# KiCad board B2_panel.kicad_pcb (continued)
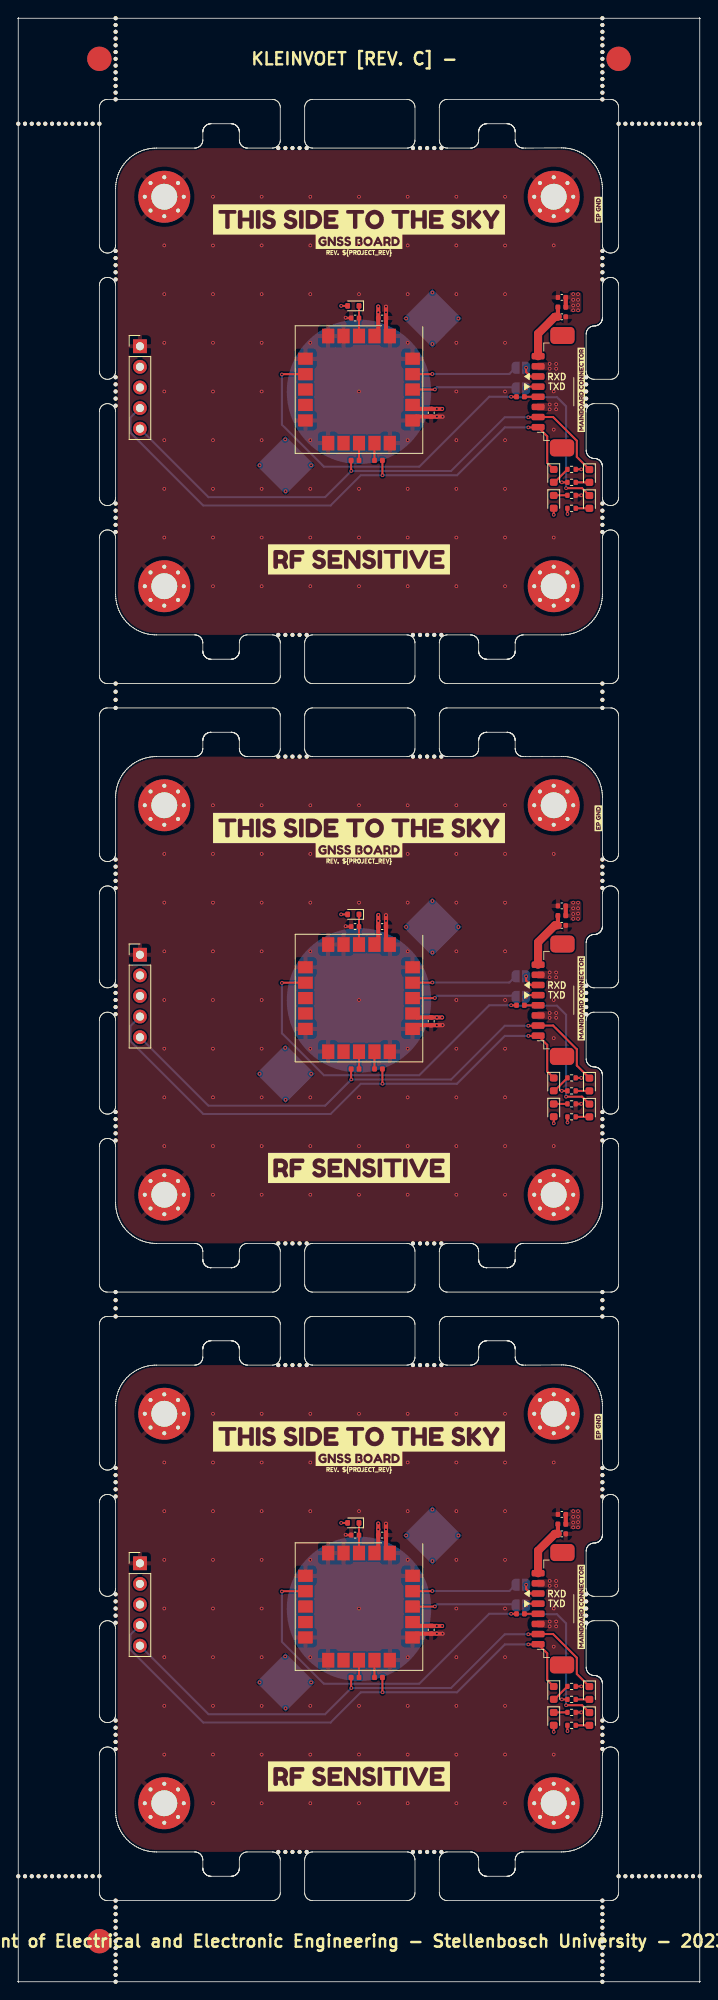
[diagram p0: board, top side]
## Placement (name value [footprint] x y rotation side) (continued)
REF**#262  -  [NPTH]  72 240.33 0 top
REF**#263  -  [NPTH]  9.17 229 0 top
REF**#264  -  [NPTH]  52.15 76 0 top
REF**#265  -  [NPTH]  72 182.19 0 top
REF**#266  -  [NPTH]  10 13 0 top
REF**#267  -  [NPTH]  51.28 166 0 top
REF**#268  -  [NPTH]  12 180.44 0 top
REF**#269  -  [NPTH]  32.92 166 0 top
REF**#270  -  [NPTH]  82.33 13 0 top
REF**#271  -  [NPTH]  32.05 166 0 top
REF**#272  -  [NPTH]  12 234.5 0 top
REF**#273  -  [NPTH]  72 29.56 0 top
REF**#274  -  [Fiducial]  10 5 0 bottom
REF**#275  -  [Fiducial]  10 237 0 bottom
REF**#276  -  [Fiducial]  74 237 0 bottom
U301  SAM-M8Q  [ublox_SAM-M8Q]  42 196.24 270 top
U301#2  SAM-M8Q  [ublox_SAM-M8Q]  42 121.24 270 top
U301#3  SAM-M8Q  [ublox_SAM-M8Q]  42 46.24 270 top

## Library data of the parts
BT301 BT301#2 BT301#3 = -: Description: Single-cell battery; MPN: 2898; Mfr.: Keystone Electronics
C301 C301#2 C301#3 C302 C302#2 C302#3 C305 C305#2 C305#3 = -: Description: Unpolarized capacitor, small symbol; MPN: C0402C105K9PACTU; Mfr.: KEMET
C303 C303#2 C303#3 C304 C304#2 C304#3 = -: Description: Unpolarized capacitor, small symbol; MPN: GRM155R60J106ME05D; Mfr.: Murata; Notes: Low ESR
D301 D301#2 D301#3 = -: Description: Schottky diode, small symbol; MPN: RB520S30T1G; Mfr.: onsemi
D302 D302#2 D302#3 = -: Description: Light emitting diode, small symbol; MPN: SML-D12U8WT86C; Mfr.: ROHM Semiconductor
D303 D303#2 D303#3 = -: Description: Light emitting diode, small symbol; MPN: SMLD12BN1WT86; Mfr.: ROHM Semiconductor
D304 D304#2 D304#3 = -: Description: Light emitting diode, small symbol; MPN: SMLD12EN1WT86; Mfr.: ROHM Semiconductor
D305 D305#2 D305#3 = -: Description: Light emitting diode, small symbol; MPN: SML-D12D8WT86C; Mfr.: ROHM Semiconductor
FB301 FB301#2 FB301#3 FB302 FB302#2 FB302#3 FB303 FB303#2 FB303#3 FB305 FB305#2 FB305#3 = -: Description: Ferrite bead, small symbol; MPN: BLM15HD102SN1D; Mfr.: Murata
H301 H301#2 H301#3 H302 H302#2 H302#3 H303 H303#2 H303#3 H304 H304#2 H304#3 = -: Description: Mounting Hole with connection
J302 J302#2 J302#3 = -: Description: Generic connector, single row, 01x08, script generated (kicad-library-utils/schlib/autogen/connector/); MPN: 10114828-11108LF; Mfr.: Amphenol
J303 J303#2 J303#3 = -: Description: Generic connector, single row, 01x05, script generated (kicad-library-utils/schlib/autogen/connector/)
JP1 JP1#2 JP1#3 JP2 JP2#2 JP2#3 = -: Description: Solder Jumper, 2-pole, open
R302 R302#2 R302#3 R303 R303#2 R303#3 R304 R304#2 R304#3 R305 R305#2 R305#3 = -: Description: Resistor, small symbol; MPN: RT0402FRE072K2L; Mfr.: Yageo
U301 U301#2 U301#3 = -: Description: GPS ublox M8 variant; Mfr.: U-BLOX

## Footprints (pads in the part's own frame, mm; a bottom-side part is the same pattern mirrored in y, then rotated)
BatteryHolder_Keystone_3002_1x2032
  rect 5.1x5.1 smd: 1(-12.8,0) 1(12.8,0)
  round 17.8 smd: 2(0,0)
C_0402_1005Metric
  rrect 0.56x0.62 smd: 1(-0.48,0) 2(0.48,0)
Connector_Amphenol_10114828-xxx08LF_Vertical
  rrect 2.1x3 smd: (-6.925,1.45) (6.925,1.4)
  rrect 0.8x1.6 smd: 1(4.375,4.4) 2(3.125,4.4) 3(1.875,4.4) 4(0.625,4.4) 5(-0.625,4.4) 6(-1.875,4.4) 7(-3.125,4.4) 8(-4.375,4.4)
D_SOD-523
  rrect 0.6x0.7 smd: 1(-0.7,0) 2(0.7,0)
Fiducial
  round 3 smd: (0,0)
L_0402_1005Metric
  rrect 0.59x0.64 smd: 1(-0.485,0) 2(0.485,0)
LED_0603_1608Metric
  rrect 0.875x0.95 smd: 1(-0.787,0) 2(0.787,0)
MountingHole_3.2mm_M3_Pad_Via
  round 0.8 hole 0.5: 1(-2.4,0) 1(-1.697,1.697) 1(-1.697,-1.697) 1(0,2.4) 1(0,-2.4) 1(1.697,1.697) 1(1.697,-1.697) 1(2.4,0)
  round 6.4 hole 3.2: 1(0,0)
NPTH
  round 0.5 hole 0.5 unplated: (0,0)
PinHeader_1x05_P2.54mm_Vertical
  rect 1.7x1.7 hole 1: 1(0,0)
  oval 1.7x1.7 hole 1: 2(0,-2.54) 3(0,-5.08) 4(0,-7.62) 5(0,-10.16)
R_0402_1005Metric
  rrect 0.54x0.64 smd: 1(-0.51,0) 2(0.51,0)
SolderJumper-2_P1.3mm_Open_RoundedPad1.0x1.5mm
  custom 1x1.5 smd: 1(-0.65,0) 2(0.65,0)
ublox_SAM-M8Q
  rect 0.72x0.58 smd: (-7.1,4.225) (-7.1,3.375) (-7.1,2.325) (-7.1,1.475) (-7.1,0.425) (-7.1,-0.425) (-7.1,-1.475) (-7.1,-2.325) (-7.1,-3.375) (-7.1,-4.225) (-6.1,4.225) (-6.1,3.375) (-6.1,2.325) (-6.1,1.475) (-6.1,0.425) (-6.1,-0.425) (-6.1,-1.475) (-6.1,-2.325) (-6.1,-3.375) (-6.1,-4.225) (6.1,4.225) (6.1,3.375) (6.1,2.325) (6.1,1.475) (6.1,0.425) (6.1,-0.425) (6.1,-1.475) (6.1,-2.325) (6.1,-3.375) (6.1,-4.225) (7.1,4.225) (7.1,3.375) (7.1,2.325) (7.1,1.475) (7.1,0.425) (7.1,-0.425) (7.1,-1.475) (7.1,-2.325) (7.1,-3.375) (7.1,-4.225)
  rect 0.58x0.72 smd: (-4.225,7.1) (-4.225,6.1) (-4.225,-6.1) (-4.225,-7.1) (-3.375,7.1) (-3.375,6.1) (-3.375,-6.1) (-3.375,-7.1) (-2.325,7.1) (-2.325,6.1) (-2.325,-6.1) (-2.325,-7.1) (-1.475,7.1) (-1.475,6.1) (-1.475,-6.1) (-1.475,-7.1) (-0.425,7.1) (-0.425,6.1) (-0.425,-6.1) (-0.425,-7.1) (0.425,7.1) (0.425,6.1) (0.425,-6.1) (0.425,-7.1) (1.475,7.1) (1.475,6.1) (1.475,-6.1) (1.475,-7.1) (2.325,7.1) (2.325,6.1) (2.325,-6.1) (2.325,-7.1) (3.375,7.1) (3.375,6.1) (3.375,-6.1) (3.375,-7.1) (4.225,7.1) (4.225,6.1) (4.225,-6.1) (4.225,-7.1)
  rect 1.8x1.5 smd: 1(-6.6,3.8) 2(-6.6,1.9) 3(-6.6,0) 4(-6.6,-1.9) 5(-6.6,-3.8) 11(6.6,-3.8) 12(6.6,-1.9) 13(6.6,0) 14(6.6,1.9) 15(6.6,3.8)
  rect 1.5x1.8 smd: 6(-3.8,-6.6) 7(-1.9,-6.6) 8(0,-6.6) 9(1.9,-6.6) 10(3.8,-6.6) 16(3.8,6.6) 17(1.9,6.6) 18(0,6.6) 19(-1.9,6.6) 20(-3.8,6.6)

## Nets
Board2_0-/GNSS_Module/3v3_GNSS_CONN: C301#3.1 FB301#3.1 J302#3.1
Board2_1-/GNSS_Module/3v3_GNSS_CONN: C301#2.1 FB301.1 J302#2.1
Board2_2-/GNSS_Module/3v3_GNSS_CONN: C301.1 FB301#2.1 J302.1
Board2_0-+3.3V_GNSS: C302.1 C303#2.1 C304#3.1 D302#3.2 FB301#3.2 J303#2.3 R303.2 R304#3.1 R305.1 U301.2 U301.17
Board2_0-/GNSS_Module/BATT+: BT301#2.1 D301.2
Board2_0-/GNSS_Module/GNSS_CONN_INT: J302#3.3 JP2.1
Board2_0-/GNSS_Module/GNSS_CONN_~{RESET}: J302#3.4 JP1#3.1
Board2_0-/GNSS_Module/GNSS_EXT_INT: JP2.2 U301.19
Board2_0-/GNSS_Module/GNSS_RXD: FB302.2 U301.14
Board2_0-/GNSS_Module/GNSS_TXD: FB303#2.2 U301.13
Board2_0-/GNSS_Module/GNSS_~{RESET}: JP1#3.2 U301.18
Board2_0-/GNSS_Module/GPS_RX_TXD: D304.1 FB303#2.1 J302#3.7 J303#2.5
Board2_0-/GNSS_Module/GPS_TX_RXD: D305.1 FB302.1 J302#3.8 J303#2.4
Board2_0-/GNSS_Module/TIMEPULSE: D303#2.1 FB305#2.1 U301.7
Board2_0-GND_GNSS: BT301#2.2 C301#3.2 C302.2 C303#2.2 C304#3.2 C305.2 H301#3.1 H302#2.1 H303#2.1 H304#3.1 J302#3.2 J302#3.6 J303#2.1 R302#2.1 U301.1 U301.4 U301.5 U301.6 U301.10 U301.11 U301.15 U301.16 U301.20
Board2_0-Net-(D302-K): D302#3.1 R302#2.2
Board2_0-Net-(D303-A): D303#2.2 R303.1
Board2_0-Net-(D304-A): D304.2 R304#3.2
Board2_0-Net-(D305-A): D305.2 R305.2
Board2_0-Net-(J302-Pin_5): FB305#2.2 J302#3.5
Board2_0-unconnected-(J303-Pin_2-Pad2): J303#2.2
Board2_0-unconnected-(U301-SCL-Pad12): U301.12
Board2_0-unconnected-(U301-SDA-Pad9): U301.9
Board2_0-unconnected-(U301-~{SAFEBOOT}-Pad8): U301.8
Board2_0-VDD: C305.1 D301.1 U301.3
Board2_1-+3.3V_GNSS: C302#2.1 C303#3.1 C304.1 D302#2.2 FB301.2 J303#3.3 R303#2.2 R304#2.1 R305#2.1 U301#2.2 U301#2.17
Board2_1-/GNSS_Module/BATT+: BT301#3.1 D301#3.2
Board2_1-/GNSS_Module/GNSS_CONN_INT: J302#2.3 JP2#2.1
Board2_1-/GNSS_Module/GNSS_CONN_~{RESET}: J302#2.4 JP1#2.1
Board2_1-/GNSS_Module/GNSS_EXT_INT: JP2#2.2 U301#2.19
Board2_1-/GNSS_Module/GNSS_RXD: FB302#3.2 U301#2.14
Board2_1-/GNSS_Module/GNSS_TXD: FB303.2 U301#2.13
Board2_1-/GNSS_Module/GNSS_~{RESET}: JP1#2.2 U301#2.18
Board2_1-/GNSS_Module/GPS_RX_TXD: D304#2.1 FB303.1 J302#2.7 J303#3.5
Board2_1-/GNSS_Module/GPS_TX_RXD: D305#3.1 FB302#3.1 J302#2.8 J303#3.4
Board2_1-/GNSS_Module/TIMEPULSE: D303#3.1 FB305#3.1 U301#2.7
Board2_1-GND_GNSS: BT301#3.2 C301#2.2 C302#2.2 C303#3.2 C304.2 C305#2.2 H301.1 H302#3.1 H303#3.1 H304#2.1 J302#2.2 J302#2.6 J303#3.1 R302#3.1 U301#2.1 U301#2.4 U301#2.5 U301#2.6 U301#2.10 U301#2.11 U301#2.15 U301#2.16 U301#2.20
Board2_1-Net-(D302-K): D302#2.1 R302#3.2
Board2_1-Net-(D303-A): D303#3.2 R303#2.1
Board2_1-Net-(D304-A): D304#2.2 R304#2.2
Board2_1-Net-(D305-A): D305#3.2 R305#2.2
Board2_1-Net-(J302-Pin_5): FB305#3.2 J302#2.5
Board2_1-unconnected-(J303-Pin_2-Pad2): J303#3.2
Board2_1-unconnected-(U301-SCL-Pad12): U301#2.12
Board2_1-unconnected-(U301-SDA-Pad9): U301#2.9
Board2_1-unconnected-(U301-~{SAFEBOOT}-Pad8): U301#2.8
Board2_1-VDD: C305#2.1 D301#3.1 U301#2.3
Board2_2-+3.3V_GNSS: C302#3.1 C303.1 C304#2.1 D302.2 FB301#2.2 J303.3 R303#3.2 R304.1 R305#3.1 U301#3.2 U301#3.17
Board2_2-/GNSS_Module/BATT+: BT301.1 D301#2.2
Board2_2-/GNSS_Module/GNSS_CONN_INT: J302.3 JP2#3.1
Board2_2-/GNSS_Module/GNSS_CONN_~{RESET}: J302.4 JP1.1
Board2_2-/GNSS_Module/GNSS_EXT_INT: JP2#3.2 U301#3.19
Board2_2-/GNSS_Module/GNSS_RXD: FB302#2.2 U301#3.14
Board2_2-/GNSS_Module/GNSS_TXD: FB303#3.2 U301#3.13
Board2_2-/GNSS_Module/GNSS_~{RESET}: JP1.2 U301#3.18
Board2_2-/GNSS_Module/GPS_RX_TXD: D304#3.1 FB303#3.1 J302.7 J303.5
Board2_2-/GNSS_Module/GPS_TX_RXD: D305#2.1 FB302#2.1 J302.8 J303.4
Board2_2-/GNSS_Module/TIMEPULSE: D303.1 FB305.1 U301#3.7
Board2_2-GND_GNSS: BT301.2 C301.2 C302#3.2 C303.2 C304#2.2 C305#3.2 H301#2.1 H302.1 H303.1 H304.1 J302.2 J302.6 J303.1 R302.1 U301#3.1 U301#3.4 U301#3.5 U301#3.6 U301#3.10 U301#3.11 U301#3.15 U301#3.16 U301#3.20
Board2_2-Net-(D302-K): D302.1 R302.2
Board2_2-Net-(D303-A): D303.2 R303#3.1
Board2_2-Net-(D304-A): D304#3.2 R304.2
Board2_2-Net-(D305-A): D305#2.2 R305#3.2
Board2_2-Net-(J302-Pin_5): FB305.2 J302.5
Board2_2-unconnected-(J303-Pin_2-Pad2): J303.2
Board2_2-unconnected-(U301-SCL-Pad12): U301#3.12
Board2_2-unconnected-(U301-SDA-Pad9): U301#3.9
Board2_2-unconnected-(U301-~{SAFEBOOT}-Pad8): U301#3.8
Board2_2-VDD: C305#3.1 D301#2.1 U301#3.3

## Via types
v1: diameter 0.45, hole 0.25, Top to Bottom, 360 vias

## Routing (per net, layer and track width the routed paths; a pad name or vN(x,y) marks a point on that pad's centre or on a via; arc(x,y) is an arc through that point)
Board2_0-/GNSS_Module/3v3_GNSS_CONN: length 7.3
  Top w0.5: C301#3.1 66.52,206.4 FB301#3.1
  Top w1: 66.5,205.2 66.14,205.2 64.07,203.13 J302#3.1
Board2_1-/GNSS_Module/3v3_GNSS_CONN: length 7.3
  Top w0.5: FB301.1 66.52,131.4 C301#2.1
  Top w1: J302#2.1 64.07,128.13 66.14,130.2 66.5,130.2
Board2_2-/GNSS_Module/3v3_GNSS_CONN: length 7.3
  Top w0.5: C301.1 66.52,56.4 FB301#2.1
  Top w1: J302.1 64.07,53.13 66.14,55.2 66.5,55.2
Board2_0-+3.3V_GNSS: length 11.8
  Top w0.25: R305.1 v1(69.4,186.4) ; R303.2 67.69,180.91 v1(67.7,180.9) ; D302#3.2 v1(66,180.8) ; R304#3.1 v1(67,184.8)
  Top w0.5: U301.2 44.37,203.31 C303#2.1 44.37,205.75 v1(44.38,205.75) v1(44.38,206.47) ; v1(52.25,193.85) v1(51.6,193.85) 51.59,193.86 C304#3.1 49.08,193.86 U301.17 ; FB301#3.2 67.49,207.59 C302.1
  vias: v1(68.4,208) v1(68.4,207.3) v1(68.4,206.6) v1(68.4,206) v1(69,208) v1(69,207.3) v1(69,206.65) v1(69,206)
Board2_0-/GNSS_Module/BATT+: length 10.2
  Top w0.25: D301.2 v1(39.8,206.55)
  In2.Cu w0.25: v1(39.8,206.55) 39.8,198.6 40.8,197.6
  vias: v1(29.75,186.9) v1(32.9,190.1) v1(32.95,183.7) v1(36.1,186.9) v1(47.8,205) v1(51.05,208.2) v1(51.05,201.85) v1(54.25,205)
Board2_0-/GNSS_Module/GNSS_CONN_INT: length 2.2
  Top w0.25: J302#3.3 63.15,197.85 62.6,198.4 v1(62.6,198.93)
Board2_0-/GNSS_Module/GNSS_CONN_~{RESET}: length 1.6
  Top w0.25: v1(62.6,196.38) 62.82,196.6 J302#3.4
Board2_0-/GNSS_Module/GNSS_EXT_INT: length 13
  Top w0.25: v1(51.04,198.16) 51.01,198.13 U301.19
  Bottom w0.25: JP2.2 60.53,198.16 v1(51.04,198.16)
Board2_0-/GNSS_Module/GNSS_RXD: length 2.2
  Top w0.25: U301.14 43.9,187.44
Board2_0-/GNSS_Module/GNSS_TXD: length 2.2
  Top w0.25: U301.13 42,187.44
Board2_0-/GNSS_Module/GNSS_~{RESET}: length 12.9
  Top w0.25: v1(51.35,196.25) 51.34,196.24 U301.18
  Bottom w0.25: JP1#3.2 61.15,196.53 51.62,196.53 v1(51.35,196.25)
Board2_0-/GNSS_Module/GPS_RX_TXD: length 68.2
  Top w0.25: FB303#2.1 41.03,186.23 v1(41.05,186.21) ; D304.1 68.85,187.93 68.85,189.93 65.93,192.85 J302#3.7 64.05,192.82 v1(62.88,192.82)
  Bottom w0.25: v1(62.88,192.82) 59.97,192.82 53.35,186.2 41.06,186.2 v1(41.05,186.21) 41.05,186.2 37.83,182.98 23.44,182.98 J303#2.5
Board2_0-/GNSS_Module/GPS_TX_RXD: length 69.3
  Top w0.25: D305.1 65.2,187.19 65.2,190.47 J302#3.8 64.05,191.57 v1(62.88,191.57) ; 44.88,187.5 44.88,185.69 v1(44.9,185.68)
  Bottom w0.25: v1(62.88,191.57) 59.97,191.57 54.08,185.68 42.23,185.68 38.5,181.95 22.8,181.95 13.82,190.93 13.82,192.78 J303#2.4
Board2_0-/GNSS_Module/TIMEPULSE: length 64.3
  Top w0.25: U301.7 32.53,198.13 v1(32.5,198.1) ; v1(67.52,184.08) 69.49,184.08 D303#2.1 ; v1(60.75,195.35) FB305#2.1
  Bottom w0.25: v1(32.5,198.1) 32.5,191.9 37.67,186.73 49.43,186.73 58.05,195.35 v1(60.75,195.35) 60.8,195.3 66.4,195.3 67.53,194.18 67.53,184.08 v1(67.52,184.08)
Board2_0-GND_GNSS: length 9.1
  Top w0.25: v1(40.35,205.1) 40.4,205.05 C305.2 ; R302#2.1 v1(69.4,183.2)
  Top w0.5: U301.16 49.06,192.89 C304#3.2 51.59,192.89 v1(51.6,192.9) v1(52.3,192.9) ; v1(45.32,206.45) v1(45.32,205.75) 45.33,205.75 C303#2.2 45.33,203.31 U301.1
  vias: v1(18,214) v1(18,208) v1(18,202) v1(18,196) v1(18,190) v1(18,184) v1(18,178) v1(24,220) v1(24,214) v1(24,208) v1(24,202) v1(24,196) v1(24,190) v1(24,184) v1(24,178) v1(24,172) v1(30,220) v1(30,214) v1(30,208) v1(30,202) v1(30,196) v1(30,190) v1(30,184) v1(30,178) v1(30,172) v1(36,220) v1(36,214) v1(36,208) v1(36,202) v1(36,190) v1(36,184) v1(36,178) v1(36,172) v1(42,220) v1(42,214) v1(42,208) v1(42,196) v1(42,184) v1(42,178) v1(42,172) v1(48,220) v1(48,214) v1(48,208) v1(48,202) v1(48,190) v1(48,184) v1(48,178) v1(48,172) v1(54,220) v1(54,214) v1(54,208) v1(54,202) v1(54,196) v1(54,190) v1(54,184) v1(54,178) v1(54,172) v1(60,220) v1(60,214) v1(60,208) v1(60,202) v1(60,196) v1(60,190) v1(60,184) v1(60,178) v1(60,172) v1(65.5,199.4) v1(65.5,198.8) v1(65.5,194.4) v1(65.5,193.8) v1(66,214) v1(66,196) v1(66,191.3) v1(66,178) v1(66.3,199.4) v1(66.3,198.8) v1(66.3,194.4) v1(66.3,193.8)
Board2_0-Net-(D302-K): length 1.7
  Top w0.25: D302#3.1 66.01,183.2 R302#2.2
Board2_0-Net-(D303-A): length 1.7
  Top w0.25: R303.1 D303#2.2
Board2_0-Net-(D304-A): length 1.7
  Top w0.25: R304#3.2 D304.2
Board2_0-Net-(D305-A): length 2.3
  Top w0.25: D305.2 66.1,184.81 R305.2
Board2_0-Net-(J302-Pin_5): length 1.7
  Top w0.25: 62.38,195.35 J302#3.5
Board2_0-VDD: length 3.7
  Top w0.25: D301.1 C305.1 U301.3
Board2_1-+3.3V_GNSS: length 11.8
  Top w0.25: v1(67.7,105.9) 67.69,105.91 R303#2.2 ; D302#2.2 v1(66,105.8) ; R304#2.1 v1(67,109.8) ; R305#2.1 v1(69.4,111.4)
  Top w0.5: FB301.2 67.49,132.59 C302#2.1 ; U301#2.17 49.08,118.85 C304.1 51.59,118.85 v1(51.6,118.85) v1(52.25,118.85) ; U301#2.2 44.37,128.31 C303#3.1 44.37,130.75 v1(44.38,130.75) v1(44.38,131.47)
  vias: v1(68.4,133) v1(68.4,132.3) v1(68.4,131.6) v1(68.4,131) v1(69,133) v1(69,132.3) v1(69,131.65) v1(69,131)
Board2_1-/GNSS_Module/BATT+: length 10.2
  Top w0.25: D301#3.2 v1(39.8,131.55)
  In2.Cu w0.25: v1(39.8,131.55) 39.8,123.6 40.8,122.6
  vias: v1(29.75,111.9) v1(32.9,115.1) v1(32.95,108.7) v1(36.1,111.9) v1(47.8,130) v1(51.05,133.2) v1(51.05,126.85) v1(54.25,130)
Board2_1-/GNSS_Module/GNSS_CONN_INT: length 2.2
  Top w0.25: J302#2.3 63.15,122.85 62.6,123.4 v1(62.6,123.93)
Board2_1-/GNSS_Module/GNSS_CONN_~{RESET}: length 1.6
  Top w0.25: v1(62.6,121.38) 62.82,121.6 J302#2.4
Board2_1-/GNSS_Module/GNSS_EXT_INT: length 13
  Top w0.25: v1(51.04,123.16) 51.01,123.13 U301#2.19
  Bottom w0.25: v1(51.04,123.16) 60.53,123.16 JP2#2.2
Board2_1-/GNSS_Module/GNSS_RXD: length 2.2
  Top w0.25: U301#2.14 43.9,112.44
Board2_1-/GNSS_Module/GNSS_TXD: length 2.2
  Top w0.25: U301#2.13 42,112.44
Board2_1-/GNSS_Module/GNSS_~{RESET}: length 12.9
  Top w0.25: v1(51.35,121.25) 51.34,121.24 U301#2.18
  Bottom w0.25: JP1#2.2 61.15,121.53 51.62,121.53 v1(51.35,121.25)
Board2_1-/GNSS_Module/GPS_RX_TXD: length 68.2
  Top w0.25: v1(41.05,111.21) 41.03,111.23 FB303.1 ; D304#2.1 68.85,112.93 68.85,114.93 65.93,117.85 J302#2.7 64.05,117.82 v1(62.88,117.82)
  Bottom w0.25: J303#3.5 23.44,107.98 37.83,107.98 41.05,111.2 v1(41.05,111.21) 41.06,111.2 53.35,111.2 59.97,117.82 v1(62.88,117.82)
Board2_1-/GNSS_Module/GPS_TX_RXD: length 69.3
  Top w0.25: v1(62.88,116.57) 64.05,116.57 J302#2.8 65.2,115.47 65.2,112.19 D305#3.1 ; v1(44.9,110.68) 44.88,110.69 44.88,112.5
  Bottom w0.25: v1(62.88,116.57) 59.97,116.57 54.08,110.68 42.23,110.68 38.5,106.95 22.8,106.95 13.82,115.93 13.82,117.78 15,118.96
Board2_1-/GNSS_Module/TIMEPULSE: length 64.3
  Top w0.25: v1(67.52,109.08) 69.49,109.08 70.4,108.18 ; v1(32.5,123.1) 32.53,123.13 U301#2.7 ; v1(60.75,120.35) FB305#3.1
  Bottom w0.25: v1(67.52,109.08) 67.53,109.08 67.53,119.18 66.4,120.3 60.8,120.3 v1(60.75,120.35) 58.05,120.35 49.43,111.73 37.67,111.73 32.5,116.9 v1(32.5,123.1)
Board2_1-GND_GNSS: length 9.1
  Top w0.25: R302#3.1 v1(69.4,108.2) ; C305#2.2 40.4,130.05 v1(40.35,130.1)
  Top w0.5: U301#2.1 45.33,128.31 C303#3.2 45.33,130.75 v1(45.32,130.75) v1(45.32,131.45) ; v1(52.3,117.9) v1(51.6,117.9) 51.59,117.9 C304.2 49.06,117.9 U301#2.16
  vias: v1(18,139) v1(18,133) v1(18,127) v1(18,121) v1(18,115) v1(18,109) v1(18,103) v1(24,145) v1(24,139) v1(24,133) v1(24,127) v1(24,121) v1(24,115) v1(24,109) v1(24,103) v1(24,97) v1(30,145) v1(30,139) v1(30,133) v1(30,127) v1(30,121) v1(30,115) v1(30,109) v1(30,103) v1(30,97) v1(36,145) v1(36,139) v1(36,133) v1(36,127) v1(36,115) v1(36,109) v1(36,103) v1(36,97) v1(42,145) v1(42,139) v1(42,133) v1(42,121) v1(42,109) v1(42,103) v1(42,97) v1(48,145) v1(48,139) v1(48,133) v1(48,127) v1(48,115) v1(48,109) v1(48,103) v1(48,97) v1(54,145) v1(54,139) v1(54,133) v1(54,127) v1(54,121) v1(54,115) v1(54,109) v1(54,103) v1(54,97) v1(60,145) v1(60,139) v1(60,133) v1(60,127) v1(60,121) v1(60,115) v1(60,109) v1(60,103) v1(60,97) v1(65.5,124.4) v1(65.5,123.8) v1(65.5,119.4) v1(65.5,118.8) v1(66,139) v1(66,121) v1(66,116.3) v1(66,103) v1(66.3,124.4) v1(66.3,123.8) v1(66.3,119.4) v1(66.3,118.8)
Board2_1-Net-(D302-K): length 1.7
  Top w0.25: D302#2.1 66.01,108.2 R302#3.2
Board2_1-Net-(D303-A): length 1.7
  Top w0.25: R303#2.1 D303#3.2
Board2_1-Net-(D304-A): length 1.7
  Top w0.25: R304#2.2 D304#2.2
Board2_1-Net-(D305-A): length 2.3
  Top w0.25: R305#2.2 66.1,109.81 D305#3.2
Board2_1-Net-(J302-Pin_5): length 1.7
  Top w0.25: 62.38,120.35 J302#2.5
Board2_1-VDD: length 3.7
  Top w0.25: D301#3.1 C305#2.1 U301#2.3
Board2_2-+3.3V_GNSS: length 11.8
  Top w0.25: R304.1 v1(67,34.8) ; R305#3.1 v1(69.4,36.4) ; R303#3.2 67.69,30.91 v1(67.7,30.9) ; D302.2 v1(66,30.8)
  Top w0.5: C302#3.1 67.49,57.59 FB301#2.2 ; U301#3.2 44.37,53.31 C303.1 44.37,55.75 v1(44.38,55.75) v1(44.38,56.47) ; U301#3.17 49.08,43.85 C304#2.1 51.59,43.85 v1(51.6,43.85) v1(52.25,43.85)
  vias: v1(68.4,58) v1(68.4,57.3) v1(68.4,56.6) v1(68.4,56) v1(69,58) v1(69,57.3) v1(69,56.65) v1(69,56)
Board2_2-/GNSS_Module/BATT+: length 10.2
  Top w0.25: D301#2.2 v1(39.8,56.55)
  In2.Cu w0.25: 40.8,47.6 39.8,48.6 v1(39.8,56.55)
  vias: v1(29.75,36.9) v1(32.9,40.1) v1(32.95,33.7) v1(36.1,36.9) v1(47.8,55) v1(51.05,58.2) v1(51.05,51.85) v1(54.25,55)
Board2_2-/GNSS_Module/GNSS_CONN_INT: length 2.2
  Top w0.25: J302.3 63.15,47.85 62.6,48.4 v1(62.6,48.93)
Board2_2-/GNSS_Module/GNSS_CONN_~{RESET}: length 1.6
  Top w0.25: v1(62.6,46.38) 62.82,46.6 J302.4
Board2_2-/GNSS_Module/GNSS_EXT_INT: length 13
  Top w0.25: v1(51.04,48.16) 51.01,48.13 U301#3.19
  Bottom w0.25: JP2#3.2 60.53,48.16 v1(51.04,48.16)
Board2_2-/GNSS_Module/GNSS_RXD: length 2.2
  Top w0.25: U301#3.14 43.9,37.44
Board2_2-/GNSS_Module/GNSS_TXD: length 2.2
  Top w0.25: U301#3.13 42,37.44
Board2_2-/GNSS_Module/GNSS_~{RESET}: length 12.9
  Top w0.25: U301#3.18 51.34,46.24 v1(51.35,46.25)
  Bottom w0.25: v1(51.35,46.25) 51.62,46.53 61.15,46.53 JP1.2
Board2_2-/GNSS_Module/GPS_RX_TXD: length 68.2
  Top w0.25: v1(62.88,42.82) 64.05,42.82 J302.7 65.93,42.85 68.85,39.93 68.85,37.93 D304#3.1 ; FB303#3.1 41.03,36.23 v1(41.05,36.21)
  Bottom w0.25: J303.5 23.44,32.98 37.83,32.98 41.05,36.2 v1(41.05,36.21) 41.06,36.2 53.35,36.2 59.97,42.82 v1(62.88,42.82)
Board2_2-/GNSS_Module/GPS_TX_RXD: length 69.3
  Top w0.25: v1(44.9,35.68) 44.88,35.69 44.88,37.5 ; D305#2.1 65.2,37.19 65.2,40.47 J302.8 64.05,41.57 v1(62.88,41.57)
  Bottom w0.25: 15,43.96 13.82,42.78 13.82,40.93 22.8,31.95 38.5,31.95 42.23,35.68 54.08,35.68 59.97,41.57 v1(62.88,41.57)
Board2_2-/GNSS_Module/TIMEPULSE: length 64.3
  Top w0.25: U301#3.7 32.53,48.13 v1(32.5,48.1) ; v1(60.75,45.35) FB305.1 ; 70.4,33.18 69.49,34.08 v1(67.52,34.08)
  Bottom w0.25: v1(32.5,48.1) 32.5,41.9 37.67,36.73 49.43,36.73 58.05,45.35 v1(60.75,45.35) 60.8,45.3 66.4,45.3 67.53,44.18 67.53,34.08 v1(67.52,34.08)
Board2_2-GND_GNSS: length 9.1
  Top w0.25: v1(40.35,55.1) 40.4,55.05 C305#3.2 ; R302.1 v1(69.4,33.2)
  Top w0.5: v1(52.3,42.9) v1(51.6,42.9) 51.59,42.9 C304#2.2 49.06,42.9 U301#3.16 ; v1(45.32,56.45) v1(45.32,55.75) 45.33,55.75 C303.2 45.33,53.31 U301#3.1
  vias: v1(18,64) v1(18,58) v1(18,52) v1(18,46) v1(18,40) v1(18,34) v1(18,28) v1(24,70) v1(24,64) v1(24,58) v1(24,52) v1(24,46) v1(24,40) v1(24,34) v1(24,28) v1(24,22) v1(30,70) v1(30,64) v1(30,58) v1(30,52) v1(30,46) v1(30,40) v1(30,34) v1(30,28) v1(30,22) v1(36,70) v1(36,64) v1(36,58) v1(36,52) v1(36,40) v1(36,34) v1(36,28) v1(36,22) v1(42,70) v1(42,64) v1(42,58) v1(42,46) v1(42,34) v1(42,28) v1(42,22) v1(48,70) v1(48,64) v1(48,58) v1(48,52) v1(48,40) v1(48,34) v1(48,28) v1(48,22) v1(54,70) v1(54,64) v1(54,58) v1(54,52) v1(54,46) v1(54,40) v1(54,34) v1(54,28) v1(54,22) v1(60,70) v1(60,64) v1(60,58) v1(60,52) v1(60,46) v1(60,40) v1(60,34) v1(60,28) v1(60,22) v1(65.5,49.4) v1(65.5,48.8) v1(65.5,44.4) v1(65.5,43.8) v1(66,64) v1(66,46) v1(66,41.3) v1(66,28) v1(66.3,49.4) v1(66.3,48.8) v1(66.3,44.4) v1(66.3,43.8)
Board2_2-Net-(D302-K): length 1.7
  Top w0.25: R302.2 66.01,33.2 D302.1
Board2_2-Net-(D303-A): length 1.7
  Top w0.25: R303#3.1 D303.2
Board2_2-Net-(D304-A): length 1.7
  Top w0.25: R304.2 D304#3.2
Board2_2-Net-(D305-A): length 2.3
  Top w0.25: D305#2.2 66.1,34.81 R305#3.2
Board2_2-Net-(J302-Pin_5): length 1.7
  Top w0.25: 62.38,45.35 J302.5
Board2_2-VDD: length 3.7
  Top w0.25: D301#2.1 C305#3.1 U301#3.3

## Copper pours and planes (outline as drawn; the poured copper is in the pictures)
Board2_0-+3.3V_GNSS on Top: 67,208.2 67,205.8 69.4,205.8 69.4,208.2
Board2_0-+3.3V_GNSS on In2.Cu: 72,166 12,166 12,226 72,226
Board2_0-/GNSS_Module/BATT+ on In2.Cu: 51.05,208.6 54.6,205 32.95,183.35 29.4,186.9
Board2_0-GND_GNSS on Top: 64,193.6 64,194.6 66.5,194.6 66.5,193.6
Board2_0-GND_GNSS on Top: 12,226 72,226 72,166 11.95,166
Board2_0-GND_GNSS on Top: 64,198.6 64,199.6 66.5,199.6 66.5,198.6
Board2_0-GND_GNSS on Bottom: 12,226 72.05,226 72.05,166 11.95,166
Board2_0-GND_GNSS on In1.Cu: 72,166 12,166 12,226 72,226
Board2_1-+3.3V_GNSS on Top: 67,133.2 67,130.8 69.4,130.8 69.4,133.2
Board2_1-+3.3V_GNSS on In2.Cu: 72,91 12,91 12,151 72,151
Board2_1-/GNSS_Module/BATT+ on In2.Cu: 51.05,133.6 54.6,130 32.95,108.35 29.4,111.9
Board2_1-GND_GNSS on Top: 64,118.6 64,119.6 66.5,119.6 66.5,118.6
Board2_1-GND_GNSS on Top: 64,123.6 64,124.6 66.5,124.6 66.5,123.6
Board2_1-GND_GNSS on Top: 12,151 72,151 72,91 11.95,91
Board2_1-GND_GNSS on Bottom: 12,151 72.05,151 72.05,91 11.95,91
Board2_1-GND_GNSS on In1.Cu: 72,91 12,91 12,151 72,151
Board2_2-+3.3V_GNSS on Top: 67,58.2 67,55.8 69.4,55.8 69.4,58.2
Board2_2-+3.3V_GNSS on In2.Cu: 72,16 12,16 12,76 72,76
Board2_2-/GNSS_Module/BATT+ on In2.Cu: 51.05,58.6 54.6,55 32.95,33.35 29.4,36.9
Board2_2-GND_GNSS on Top: 64,48.6 64,49.6 66.5,49.6 66.5,48.6
Board2_2-GND_GNSS on Top: 64,43.6 64,44.6 66.5,44.6 66.5,43.6
Board2_2-GND_GNSS on Top: 12,76 72,76 72,16 11.95,16
Board2_2-GND_GNSS on Bottom: 12,76 72.05,76 72.05,16 11.95,16
Board2_2-GND_GNSS on In1.Cu: 72,16 12,16 12,76 72,76

## Text on the board
User.Comments: GNSS PATCH GND / (50x50mm) | MIC ARRAY | MIC. SLOT
F.Fab: BOARD CHARACTERISTICS
F.Silkscreen: REV. ${PROJECT_REV} | RXD | TXD | KLEINVOET [REV. C] - | Department of Electrical and Electronic Engineering - Stellenbosch University - 2023-07-04
